# KiCad board FrontEnd_5G.kicad_pcb (continued)
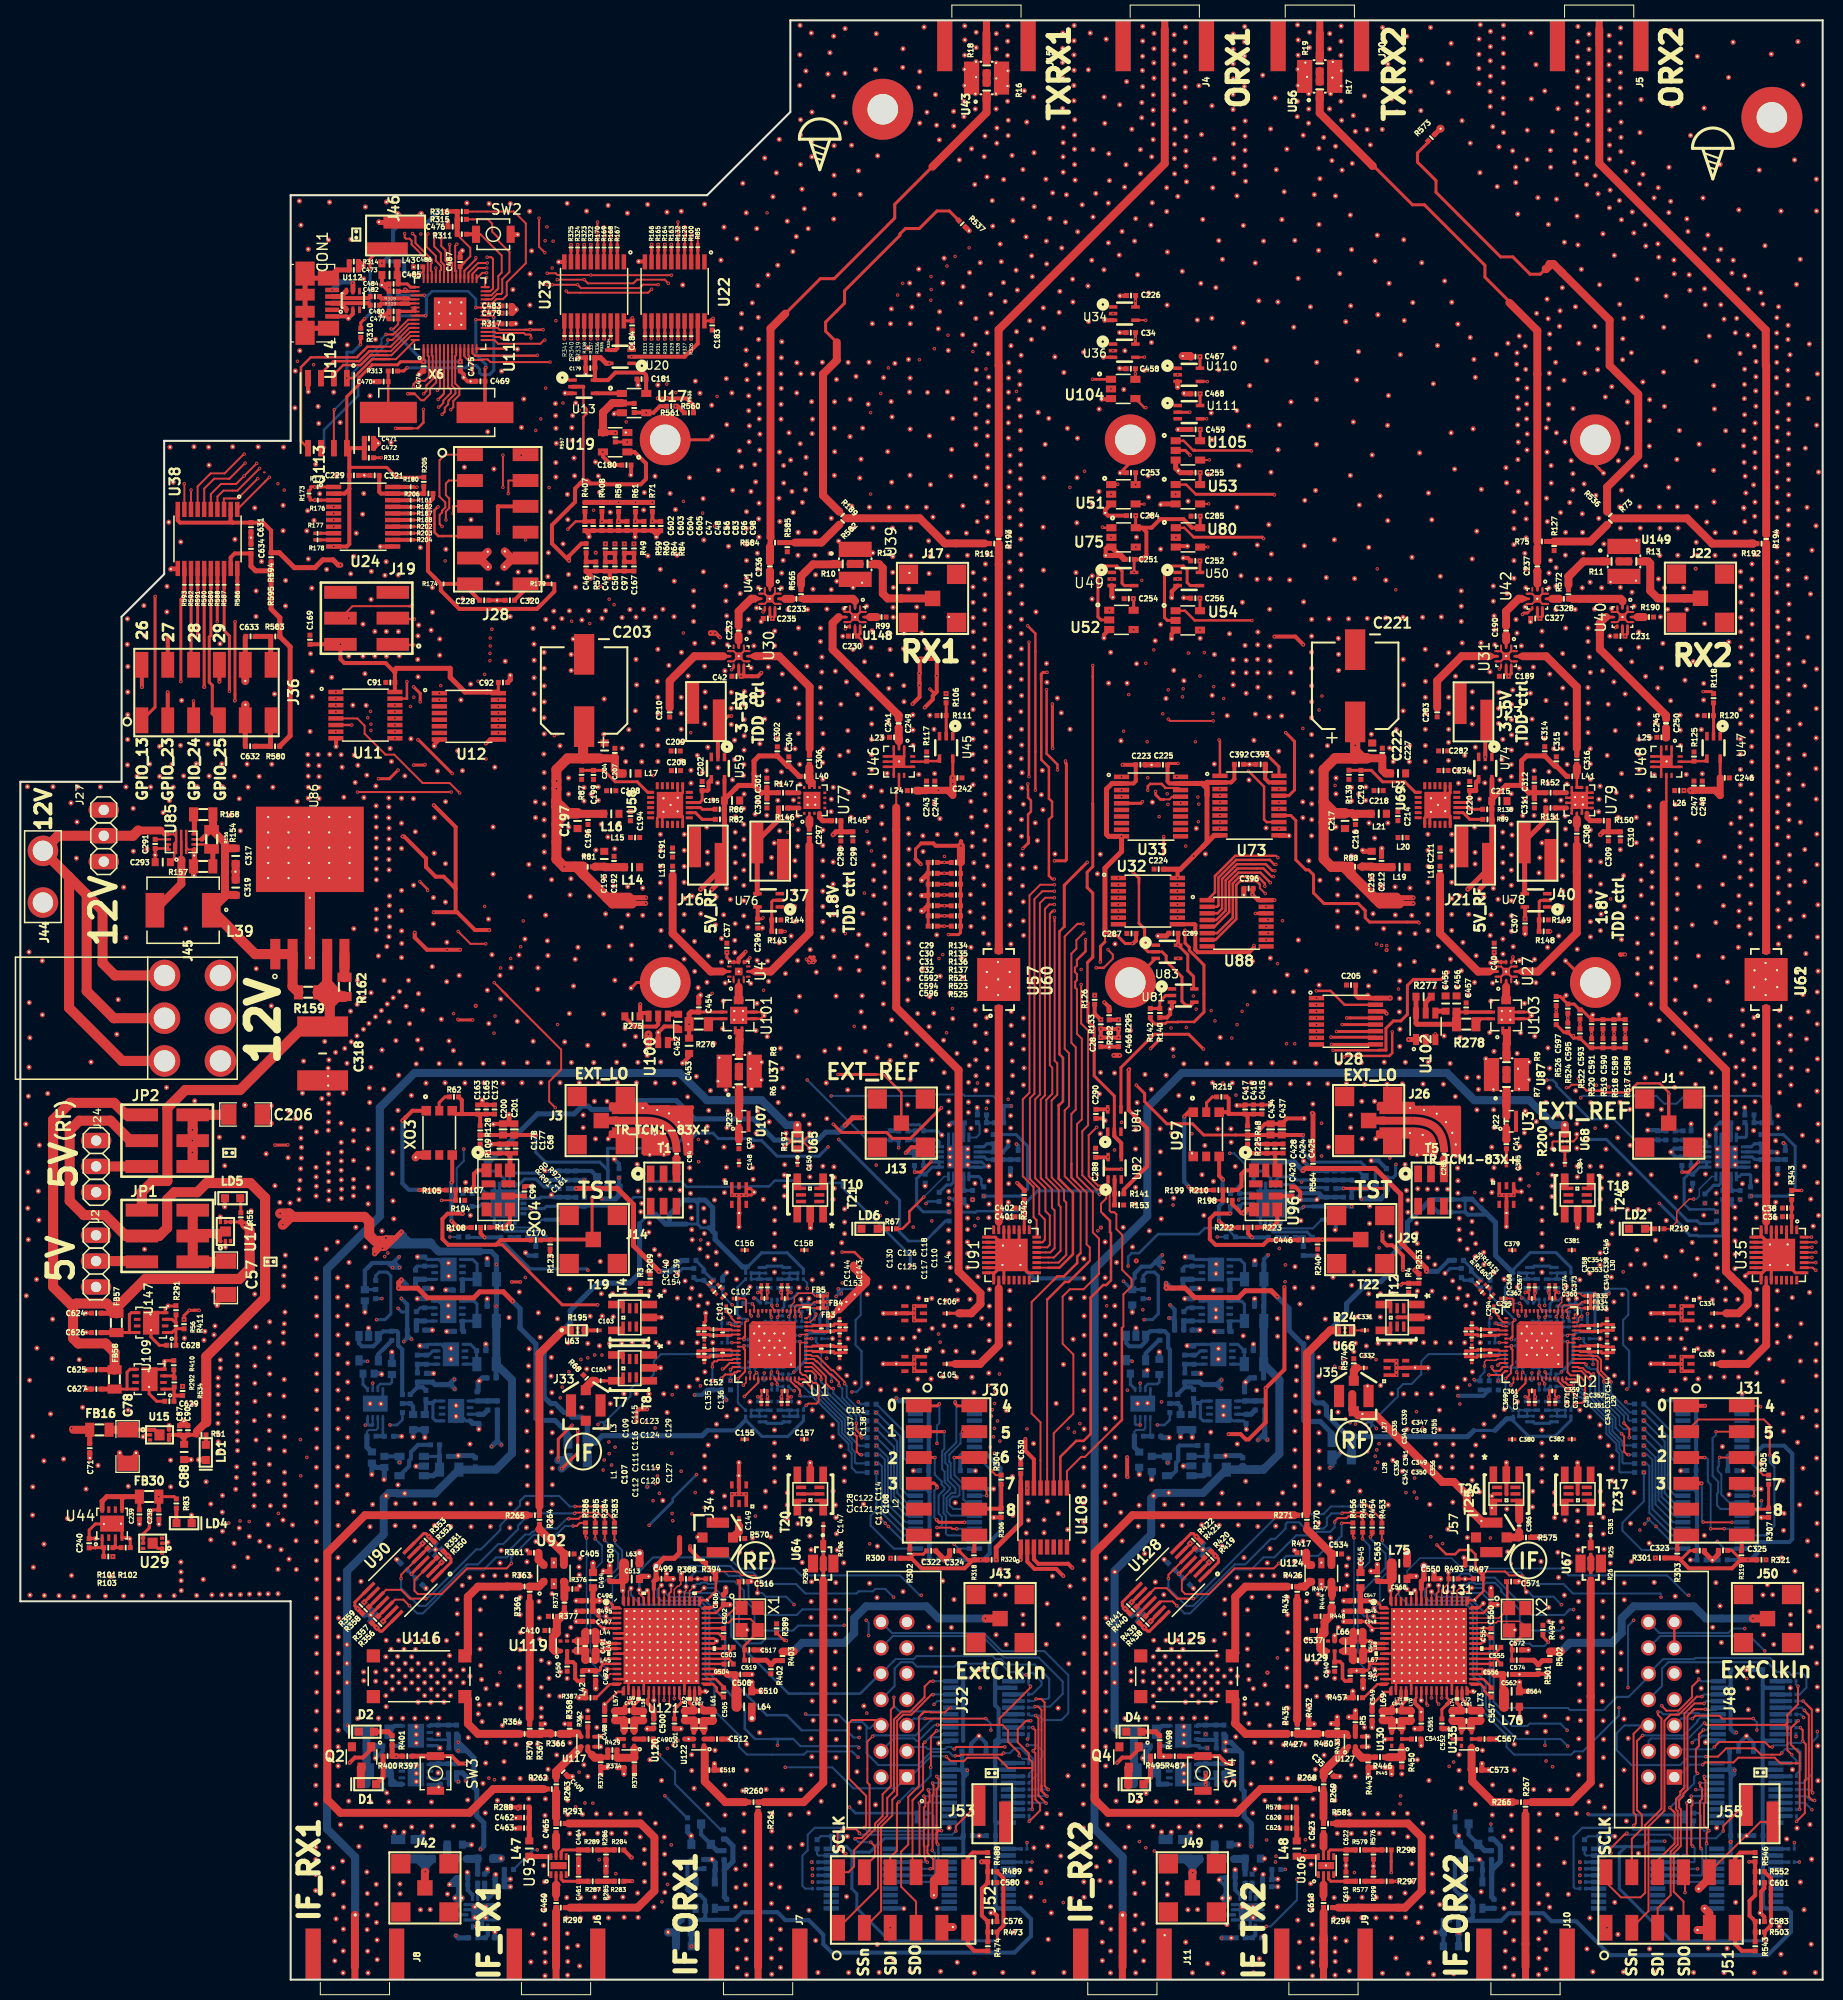
[diagram p0: board, top side]
## Placement (name value [footprint] x y rotation side) (continued)
GND_VIA#2053  VAL**  [GND_VIA#3]  102.5 179.17 90 top
GND_VIA#2054  VAL**  [GND_VIA#3]  103.62 179.92 90 top
GND_VIA#2055  VAL**  [GND_VIA#3]  103.64 178.41 90 top
GND_VIA#2056  VAL**  [GND_VIA#3]  103.65 182.81 90 top
GND_VIA#2057  VAL**  [GND_VIA#3]  103.64 181.31 90 top
GND_VIA#2058  VAL**  [GND_VIA#3]  103.69 176.88 90 top
GND_VIA#2059  VAL**  [GND_VIA#3]  102.84 175.44 90 top
GND_VIA#2060  VAL**  [GND_VIA#3]  120.19 162.84 90 top
GND_VIA#2061  VAL**  [GND_VIA#3]  116.04 166.73 90 top
GND_VIA#2062  VAL**  [GND_VIA#3]  116.11 181.36 90 top
GND_VIA#2063  VAL**  [GND_VIA#3]  105.17 191.33 90 top
GND_VIA#2064  VAL**  [GND_VIA#3]  130.86 170.04 90 top
GND_VIA#2065  VAL**  [GND_VIA#3]  116.23 173.01 90 top
GND_VIA#2066  VAL**  [GND_VIA#3]  117.81 170.94 90 top
GND_VIA#2067  VAL**  [GND_VIA#3]  109.83 167.57 90 top
GND_VIA#2068  VAL**  [GND_VIA#3]  117.39 178.96 90 top
GND_VIA#2069  VAL**  [GND_VIA#3]  115.85 186.16 90 top
GND_VIA#2070  VAL**  [GND_VIA#3]  145.35 180.15 90 top
GND_VIA#2071  VAL**  [GND_VIA#3]  167.09 178.42 90 top
GND_VIA#2072  VAL**  [GND_VIA#3]  151.16 183.89 90 top
GND_VIA#2073  VAL**  [GND_VIA#3]  150.21 172.52 90 top
GND_VIA#2074  VAL**  [GND_VIA#3]  147 176.63 90 top
GND_VIA#2075  VAL**  [GND_VIA#3]  147 178.15 90 top
GND_VIA#2076  VAL**  [GND_VIA#3]  148.12 178.9 90 top
GND_VIA#2077  VAL**  [GND_VIA#3]  150.43 178.14 90 top
GND_VIA#2078  VAL**  [GND_VIA#3]  158.93 167.13 90 top
GND_VIA#2079  VAL**  [GND_VIA#3]  141.72 182.72 90 top
GND_VIA#2080  VAL**  [GND_VIA#3]  148.14 181.79 90 top
GND_VIA#2081  VAL**  [GND_VIA#3]  151.78 170.77 90 top
GND_VIA#2082  VAL**  [GND_VIA#3]  151.01 175 90 top
GND_VIA#2083  VAL**  [GND_VIA#3]  137.67 183.71 90 top
GND_VIA#2084  VAL**  [GND_VIA#3]  136.65 185.59 90 top
GND_VIA#2085  VAL**  [GND_VIA#3]  168.93 173.95 90 top
GND_VIA#2086  VAL**  [GND_VIA#3]  145.18 176.24 90 top
GND_VIA#2087  VAL**  [GND_VIA#3]  140.65 190.32 90 top
GND_VIA#2088  VAL**  [GND_VIA#3]  148.5 191.34 90 top
GND_VIA#2089  VAL**  [GND_VIA#3]  153.03 173.33 90 top
GND_VIA#2090  VAL**  [GND_VIA#3]  170.94 177.86 90 top
GND_VIA#2091  VAL**  [GND_VIA#3]  142.53 180.51 90 top
GND_VIA#2092  VAL**  [GND_VIA#3]  134.8 184.87 90 top
GND_VIA#2093  VAL**  [GND_VIA#3]  136.29 191.01 90 top
GND_VIA#2094  VAL**  [GND_VIA#3]  120.22 172.42 90 top
GND_VIA#2095  VAL**  [GND_VIA#3]  117.21 176.12 90 top
GND_VIA#2096  VAL**  [GND_VIA#3]  130.78 164.52 90 top
GND_VIA#2097  VAL**  [GND_VIA#3]  123.35 184.94 90 top
GND_VIA#2098  VAL**  [GND_VIA#3]  134.4 152.77 90 top
GND_VIA#2099  VAL**  [GND_VIA#3]  142.53 161.41 90 top
GND_VIA#2100  VAL**  [GND_VIA#3]  132.13 185.15 90 top
GND_VIA#2101  VAL**  [GND_VIA#3]  123.46 177.9 90 top
GND_VIA#2102  VAL**  [GND_VIA#3]  121.4 168.74 90 top
GND_VIA#2103  VAL**  [GND_VIA#3]  125.18 162.42 90 top
GND_VIA#2104  VAL**  [GND_VIA#3]  125.62 167.22 90 top
GND_VIA#2105  VAL**  [GND_VIA#3]  114.22 167.91 90 top
GND_VIA#2106  VAL**  [GND_VIA#3]  140.65 152.04 90 top
GND_VIA#2107  VAL**  [GND_VIA#3]  147.2 173.54 90 top
GND_VIA#2108  VAL**  [GND_VIA#3]  134.55 166.73 90 top
GND_VIA#2109  VAL**  [GND_VIA#3]  140.99 148.47 90 top
GND_VIA#2110  VAL**  [GND_VIA#3]  125.28 170.94 90 top
GND_VIA#2111  VAL**  [GND_VIA#3]  130.74 173.44 90 top
GND_VIA#2112  VAL**  [GND_VIA#3]  114.26 159.59 90 top
GND_VIA#2113  VAL**  [GND_VIA#3]  127.2 175.45 90 top
GND_VIA#2114  VAL**  [GND_VIA#3]  145.78 189.34 90 top
GND_VIA#2115  VAL**  [GND_VIA#3]  145.8 190.84 90 top
GND_VIA#2116  VAL**  [GND_VIA#3]  145.78 183.44 90 top
GND_VIA#2117  VAL**  [GND_VIA#3]  145.77 184.94 90 top
GND_VIA#2118  VAL**  [GND_VIA#3]  145.78 186.44 90 top
GND_VIA#2119  VAL**  [GND_VIA#3]  145.78 187.94 90 top
GND_VIA#2120  VAL**  [GND_VIA#3]  137.71 188.67 90 top
GND_VIA#2121  VAL**  [GND_VIA#3]  149.85 185.64 90 top
GND_VIA#2122  VAL**  [GND_VIA#3]  140.42 185.52 90 top
GND_VIA#2123  VAL**  [GND_VIA#3]  148.99 188.23 90 top
GND_VIA#2124  VAL**  [GND_VIA#3]  134.42 188.29 90 top
GND_VIA#2125  VAL**  [GND_VIA#3]  143.52 192.15 90 top
GND_VIA#2126  VAL**  [GND_VIA#3]  144.5 190 90 top
GND_VIA#2127  VAL**  [GND_VIA#3]  144.52 191.5 90 top
GND_VIA#2128  VAL**  [GND_VIA#3]  144.5 184.1 90 top
GND_VIA#2129  VAL**  [GND_VIA#3]  144.49 185.6 90 top
GND_VIA#2130  VAL**  [GND_VIA#3]  144.5 187.1 90 top
GND_VIA#2131  VAL**  [GND_VIA#3]  144.5 188.61 90 top
GND_VIA#2132  VAL**  [GND_VIA#3]  143.38 187.86 90 top
GND_VIA#2133  VAL**  [GND_VIA#3]  143.39 186.35 90 top
GND_VIA#2134  VAL**  [GND_VIA#3]  135.32 183.58 90 top
GND_VIA#2135  VAL**  [GND_VIA#3]  144.74 182.13 90 top
GND_VIA#2136  VAL**  [GND_VIA#3]  143.4 190.75 90 top
GND_VIA#2137  VAL**  [GND_VIA#3]  143.39 189.25 90 top
GND_VIA#2138  VAL**  [GND_VIA#3]  122.9 181.91 90 top
GND_VIA#2139  VAL**  [GND_VIA#3]  124.5 179.92 90 top
GND_VIA#2140  VAL**  [GND_VIA#3]  138.75 143.49 90 top
GND_VIA#2141  VAL**  [GND_VIA#3]  122.13 187.19 90 top
GND_VIA#2142  VAL**  [GND_VIA#3]  117.14 184.18 90 top
GND_VIA#2143  VAL**  [GND_VIA#3]  131.54 160.02 90 top
GND_VIA#2144  VAL**  [GND_VIA#3]  175.24 186.24 90 top
GND_VIA#2145  VAL**  [GND_VIA#3]  124.02 173 90 top
GND_VIA#2146  VAL**  [GND_VIA#3]  138.42 146.12 90 top
GND_VIA#2147  VAL**  [GND_VIA#3]  138.9 156.86 90 top
GND_VIA#2148  VAL**  [GND_VIA#3]  112.09 144.99 90 top
GND_VIA#2149  VAL**  [GND_VIA#3]  113.82 148.31 90 top
GND_VIA#2150  VAL**  [GND_VIA#3]  113.8 152.37 90 top
GND_VIA#2151  VAL**  [GND_VIA#3]  107.39 135.87 90 top
GND_VIA#2152  VAL**  [GND_VIA#3]  131.16 137.71 90 top
GND_VIA#2153  VAL**  [GND_VIA#3]  124.78 137.57 90 top
GND_VIA#2154  VAL**  [GND_VIA#3]  132.55 140.78 90 top
GND_VIA#2155  VAL**  [GND_VIA#3]  142.72 139.64 90 top
GND_VIA#2156  VAL**  [GND_VIA#3]  133.65 145.84 90 top
GND_VIA#2157  VAL**  [GND_VIA#3]  139.59 137.93 90 top
GND_VIA#2158  VAL**  [GND_VIA#3]  124.24 175.73 90 top
GND_VIA#2159  VAL**  [GND_VIA#3]  145.8 192.1 90 top
GND_VIA#2160  VAL**  [GND_VIA#3]  152.87 164.43 90 top
GND_VIA#2161  VAL**  [GND_VIA#3]  153.12 170.5 90 top
GND_VIA#2162  VAL**  [GND_VIA#3]  155.57 171.6 90 top
GND_VIA#2163  VAL**  [GND_VIA#3]  174.97 169.09 90 top
GND_VIA#2164  VAL**  [GND_VIA#3]  146.69 179.76 90 top
GND_VIA#2165  VAL**  [GND_VIA#3]  150.6 181.66 90 top
GND_VIA#2166  VAL**  [GND_VIA#3]  156.44 156.57 90 top
GND_VIA#2167  VAL**  [GND_VIA#3]  143.48 177.61 90 top
GND_VIA#2168  VAL**  [GND_VIA#3]  155.25 166.6 90 top
GND_VIA#2169  VAL**  [GND_VIA#3]  155.81 155.56 90 top
GND_VIA#2170  VAL**  [GND_VIA#3]  166.02 161.54 90 top
GND_VIA#2171  VAL**  [GND_VIA#3]  153.45 168.11 90 top
GND_VIA#2172  VAL**  [GND_VIA#3]  161.56 162.41 90 top
GND_VIA#2173  VAL**  [GND_VIA#3]  165.03 150.92 90 top
GND_VIA#2174  VAL**  [GND_VIA#3]  161.53 158 90 top
GND_VIA#2175  VAL**  [GND_VIA#3]  159.78 148.78 90 top
GND_VIA#2176  VAL**  [GND_VIA#3]  145.8 181.55 90 top
GND_VIA#2177  VAL**  [GND_VIA#3]  161.62 154.63 90 top
GND_VIA#2178  VAL**  [GND_VIA#3]  153.79 157.91 90 top
GND_VIA#2179  VAL**  [GND_VIA#3]  164.74 159.08 90 top
GND_VIA#2180  VAL**  [GND_VIA#3]  166.47 156.68 90 top
GND_VIA#2181  VAL**  [GND_VIA#3]  159.43 163.42 90 top
GND_VIA#2182  VAL**  [GND_VIA#3]  159.5 157.04 90 top
GND_VIA#2183  VAL**  [GND_VIA#3]  158.37 159.91 90 top
GND_VIA#2184  VAL**  [GND_VIA#3]  162.03 146.68 90 top
GND_VIA#2185  VAL**  [GND_VIA#3]  166.46 148.35 90 top
GND_VIA#2186  VAL**  [GND_VIA#3]  148.54 184.86 90 top
GND_VIA#2187  VAL**  [GND_VIA#3]  158.46 147.77 90 top
GND_VIA#2188  VAL**  [GND_VIA#3]  162.84 149.42 90 top
GND_VIA#2189  VAL**  [GND_VIA#3]  163.09 152.27 90 top
GND_VIA#2190  VAL**  [GND_VIA#3]  153.54 144.08 90 top
GND_VIA#2191  VAL**  [GND_VIA#3]  167.64 152.25 90 top
GND_VIA#2192  VAL**  [GND_VIA#3]  161.78 165.48 90 top
GND_VIA#2193  VAL**  [GND_VIA#3]  166.53 154.38 90 top
GND_VIA#2194  VAL**  [GND_VIA#3]  153.72 147.02 90 top
GND_VIA#2195  VAL**  [GND_VIA#3]  166.49 145.23 90 top
GND_VIA#2196  VAL**  [GND_VIA#3]  138.62 191.88 90 top
GND_VIA#2197  VAL**  [GND_VIA#3]  133.91 191.87 90 top
GND_VIA#2198  VAL**  [GND_VIA#3]  166.06 96.28 90 top
GND_VIA#2199  VAL**  [GND_VIA#3]  164.66 97.64 90 top
GND_VIA#2200  VAL**  [GND_VIA#3]  167.81 98.06 90 top
GND_VIA#2201  VAL**  [GND_VIA#3]  164.96 100.62 90 top
GND_VIA#2202  VAL**  [GND_VIA#3]  165.05 107.42 90 top
GND_VIA#2203  VAL**  [GND_VIA#3]  164.35 103.67 90 top
GND_VIA#2204  VAL**  [GND_VIA#3]  167.34 107.64 90 top
GND_VIA#2205  VAL**  [GND_VIA#3]  165.02 111.86 90 top
GND_VIA#2206  VAL**  [GND_VIA#3]  167.37 100.48 90 top
GND_VIA#2207  VAL**  [GND_VIA#3]  166.67 103.9 90 top
GND_VIA#2208  VAL**  [GND_VIA#3]  168.12 92.78 90 top
GND_VIA#2209  VAL**  [GND_VIA#3]  167.42 105.56 90 top
GND_VIA#2210  VAL**  [GND_VIA#3]  167.53 110.36 90 top
GND_VIA#2211  VAL**  [GND_VIA#3]  168.17 113.63 90 top
GND_VIA#2212  VAL**  [GND_VIA#3]  164.86 109.53 90 top
GND_VIA#2213  VAL**  [GND_VIA#3]  98.87 171.3 90 top
GND_VIA#2214  VAL**  [GND_VIA#3]  93.31 167.78 90 top
GND_VIA#2215  VAL**  [GND_VIA#3]  96.32 170.59 90 top
GND_VIA#2216  VAL**  [GND_VIA#3]  95.02 177.19 90 top
GND_VIA#2217  VAL**  [GND_VIA#3]  99.67 174.27 90 top
GND_VIA#2218  VAL**  [GND_VIA#3]  90.81 169.2 90 top
GND_VIA#2219  VAL**  [GND_VIA#3]  98.53 175.03 90 top
GND_VIA#2220  VAL**  [GND_VIA#3]  88.32 168.13 90 top
GND_VIA#2221  VAL**  [GND_VIA#3]  98.56 177.92 90 top
GND_VIA#2222  VAL**  [GND_VIA#3]  95.54 174.86 90 top
GND_VIA#2223  VAL**  [GND_VIA#3]  107 179.47 90 top
GND_VIA#2224  VAL**  [GND_VIA#3]  98.7 185.66 90 top
GND_VIA#2225  VAL**  [GND_VIA#3]  95.59 172.35 90 top
GND_VIA#2226  VAL**  [GND_VIA#3]  98.93 182.58 90 top
GND_VIA#2227  VAL**  [GND_VIA#3]  100.81 176.97 90 top
GND_VIA#2228  VAL**  [GND_VIA#3]  101.48 175.62 90 top
GND_VIA#2229  VAL**  [GND_VIA#3]  99.61 185.05 90 top
GND_VIA#2230  VAL**  [GND_VIA#3]  105.44 179.88 90 top
GND_VIA#2231  VAL**  [GND_VIA#3]  106.54 185.04 90 top
GND_VIA#2232  VAL**  [GND_VIA#3]  109.26 181.88 90 top
GND_VIA#2233  VAL**  [GND_VIA#3]  106.6 182.46 90 top
GND_VIA#2234  VAL**  [GND_VIA#3]  104.99 187.72 90 top
GND_VIA#2235  VAL**  [GND_VIA#3]  73.98 175.24 90 top
GND_VIA#2236  VAL**  [GND_VIA#3]  74.46 168.51 90 top
GND_VIA#2237  VAL**  [GND_VIA#3]  77.81 183.56 90 top
GND_VIA#2238  VAL**  [GND_VIA#3]  77.81 179.17 90 top
GND_VIA#2239  VAL**  [GND_VIA#3]  77.79 180.68 90 top
GND_VIA#2240  VAL**  [GND_VIA#3]  75.39 172.84 90 top
GND_VIA#2241  VAL**  [GND_VIA#3]  76.69 178.42 90 top
GND_VIA#2242  VAL**  [GND_VIA#3]  76.69 182.81 90 top
GND_VIA#2243  VAL**  [GND_VIA#3]  76.69 181.31 90 top
GND_VIA#2244  VAL**  [GND_VIA#3]  68.87 169.01 90 top
GND_VIA#2245  VAL**  [GND_VIA#3]  76.65 192.09 90 top
GND_VIA#2246  VAL**  [GND_VIA#3]  108.07 184.29 90 top
GND_VIA#2247  VAL**  [GND_VIA#3]  76.62 186.19 90 top
GND_VIA#2248  VAL**  [GND_VIA#3]  67.26 174.51 90 top
GND_VIA#2249  VAL**  [GND_VIA#3]  76.62 189.19 90 top
GND_VIA#2250  VAL**  [GND_VIA#3]  65.11 166.57 90 top
GND_VIA#2251  VAL**  [GND_VIA#3]  80.23 157.28 90 top
GND_VIA#2252  VAL**  [GND_VIA#3]  70.43 171.11 90 top
GND_VIA#2253  VAL**  [GND_VIA#3]  74.6 180.88 90 top
GND_VIA#2254  VAL**  [GND_VIA#3]  77.75 191.34 90 top
GND_VIA#2255  VAL**  [GND_VIA#3]  76.28 171.33 90 top
GND_VIA#2256  VAL**  [GND_VIA#3]  88.41 187.54 90 top
GND_VIA#2257  VAL**  [GND_VIA#3]  81.12 182.5 90 top
GND_VIA#2258  VAL**  [GND_VIA#3]  73.17 179.04 90 top
GND_VIA#2259  VAL**  [GND_VIA#3]  84.27 179.27 90 top
GND_VIA#2260  VAL**  [GND_VIA#3]  71.36 173.66 90 top
GND_VIA#2261  VAL**  [GND_VIA#3]  80 177.36 90 top
GND_VIA#2262  VAL**  [GND_VIA#3]  80.04 175.47 90 top
GND_VIA#2263  VAL**  [GND_VIA#3]  80 180.25 90 top
GND_VIA#2264  VAL**  [GND_VIA#3]  90.24 162.27 90 top
GND_VIA#2265  VAL**  [GND_VIA#3]  79.96 191.03 90 top
GND_VIA#2266  VAL**  [GND_VIA#3]  88.84 191.92 90 top
GND_VIA#2267  VAL**  [GND_VIA#3]  79.93 185.12 90 top
GND_VIA#2268  VAL**  [GND_VIA#3]  84.14 191.27 90 top
GND_VIA#2269  VAL**  [GND_VIA#3]  89.96 185.28 90 top
GND_VIA#2270  VAL**  [GND_VIA#3]  87.48 162.76 90 top
GND_VIA#2271  VAL**  [GND_VIA#3]  81.06 187.38 90 top
GND_VIA#2272  VAL**  [GND_VIA#3]  84.06 187.74 90 top
GND_VIA#2273  VAL**  [GND_VIA#3]  71.02 176.56 90 top
GND_VIA#2274  VAL**  [GND_VIA#3]  81.07 191.78 90 top
GND_VIA#2275  VAL**  [GND_VIA#3]  86.77 189.79 90 top
GND_VIA#2276  VAL**  [GND_VIA#3]  82.52 147.59 90 top
GND_VIA#2277  VAL**  [GND_VIA#3]  85.65 147.18 90 top
GND_VIA#2278  VAL**  [GND_VIA#3]  75.85 146.27 90 top
GND_VIA#2279  VAL**  [GND_VIA#3]  82.8 152.5 90 top
GND_VIA#2280  VAL**  [GND_VIA#3]  76.33 158.93 90 top
GND_VIA#2281  VAL**  [GND_VIA#3]  77.87 153.38 90 top
GND_VIA#2282  VAL**  [GND_VIA#3]  89.47 146.94 90 top
GND_VIA#2283  VAL**  [GND_VIA#3]  75.72 149.36 90 top
GND_VIA#2284  VAL**  [GND_VIA#3]  85.69 153.6 90 top
GND_VIA#2285  VAL**  [GND_VIA#3]  82.64 149.45 90 top
GND_VIA#2286  VAL**  [GND_VIA#3]  85.26 150.19 90 top
GND_VIA#2287  VAL**  [GND_VIA#3]  89.37 151.73 90 top
GND_VIA#2288  VAL**  [GND_VIA#3]  89.18 156.01 90 top
GND_VIA#2289  VAL**  [GND_VIA#3]  77.78 155.1 90 top
GND_VIA#2290  VAL**  [GND_VIA#3]  85.6 155.11 90 top
GND_VIA#2291  VAL**  [GND_VIA#3]  87.41 156.04 90 top
GND_VIA#2292  VAL**  [GND_VIA#3]  87.47 157.42 90 top
GND_VIA#2293  VAL**  [GND_VIA#3]  91.22 160.14 90 top
GND_VIA#2294  VAL**  [GND_VIA#3]  91.55 150.39 90 top
GND_VIA#2295  VAL**  [GND_VIA#3]  91.14 156.06 90 top
GND_VIA#2296  VAL**  [GND_VIA#3]  91.66 153.44 90 top
GND_VIA#2297  VAL**  [GND_VIA#3]  84.86 157.46 90 top
GND_VIA#2298  VAL**  [GND_VIA#3]  92.66 144.86 90 top
GND_VIA#2299  VAL**  [GND_VIA#3]  87.46 147.87 90 top
GND_VIA#2300  VAL**  [GND_VIA#3]  76.72 157.84 90 top
GND_VIA#2301  VAL**  [GND_VIA#3]  83.75 162.77 90 top
GND_VIA#2302  VAL**  [GND_VIA#3]  76.32 155.96 90 top
GND_VIA#2303  VAL**  [GND_VIA#3]  87.64 164.4 90 top
GND_VIA#2304  VAL**  [GND_VIA#3]  87.42 166.76 90 top
GND_VIA#2305  VAL**  [GND_VIA#3]  88.31 165.6 90 top
GND_VIA#2306  VAL**  [GND_VIA#3]  92.67 166.4 90 top
GND_VIA#2307  VAL**  [GND_VIA#3]  92.46 164.8 90 top
GND_VIA#2308  VAL**  [GND_VIA#3]  87.47 152.4 90 top
GND_VIA#2309  VAL**  [GND_VIA#3]  77.83 151.96 90 top
GND_VIA#2310  VAL**  [GND_VIA#3]  80.05 150.18 90 top
GND_VIA#2311  VAL**  [GND_VIA#3]  80.02 147.85 90 top
GND_VIA#2312  VAL**  [GND_VIA#3]  80.02 152.49 90 top
GND_VIA#2313  VAL**  [GND_VIA#3]  80.04 155.09 90 top
GND_VIA#2314  VAL**  [GND_VIA#3]  83.35 154.85 90 top
GND_VIA#2315  VAL**  [GND_VIA#3]  65.78 147.63 90 top
GND_VIA#2316  VAL**  [GND_VIA#3]  68 151.69 90 top
GND_VIA#2317  VAL**  [GND_VIA#3]  68.63 148.36 90 top
GND_VIA#2318  VAL**  [GND_VIA#3]  67.96 154.75 90 top
GND_VIA#2319  VAL**  [GND_VIA#3]  66.36 157.12 90 top
GND_VIA#2320  VAL**  [GND_VIA#3]  69.94 155.96 90 top
GND_VIA#2321  VAL**  [GND_VIA#3]  69.44 152.84 90 top
GND_VIA#2322  VAL**  [GND_VIA#3]  69.4 157.36 90 top
GND_VIA#2323  VAL**  [GND_VIA#3]  69.51 142.72 90 top
GND_VIA#2324  VAL**  [GND_VIA#3]  70.02 146.39 90 top
GND_VIA#2325  VAL**  [GND_VIA#3]  67.12 145.57 90 top
GND_VIA#2326  VAL**  [GND_VIA#3]  67.19 141.5 90 top
GND_VIA#2327  VAL**  [GND_VIA#3]  67.15 138.38 90 top
GND_VIA#2328  VAL**  [GND_VIA#3]  69.62 140.88 90 top
GND_VIA#2329  VAL**  [GND_VIA#3]  91.47 147.8 90 top
GND_VIA#2330  VAL**  [GND_VIA#3]  81.38 158.96 90 top
GND_VIA#2331  VAL**  [GND_VIA#3]  61.66 174.49 90 top
GND_VIA#2332  VAL**  [GND_VIA#3]  48.16 174.56 90 top
GND_VIA#2333  VAL**  [GND_VIA#3]  53.76 174.59 90 top
GND_VIA#2334  VAL**  [GND_VIA#3]  35.99 174.73 90 top
GND_VIA#2335  VAL**  [GND_VIA#3]  30.4 174.71 90 top
GND_VIA#2336  VAL**  [GND_VIA#3]  43.9 174.62 90 top
GND_VIA#2337  VAL**  [GND_VIA#3]  30.29 170.99 90 top
GND_VIA#2338  VAL**  [GND_VIA#3]  27.43 174.82 90 top
GND_VIA#2339  VAL**  [GND_VIA#3]  33.74 167.16 90 top
GND_VIA#2340  VAL**  [GND_VIA#3]  27.58 172.45 90 top
GND_VIA#2341  VAL**  [GND_VIA#3]  28.3 170.08 90 top
GND_VIA#2342  VAL**  [GND_VIA#3]  32.49 171.06 90 top
GND_VIA#2343  VAL**  [GND_VIA#3]  33.92 174.24 90 top
GND_VIA#2344  VAL**  [GND_VIA#3]  32.14 160.68 90 top
GND_VIA#2345  VAL**  [GND_VIA#3]  34.91 161.22 90 top
GND_VIA#2346  VAL**  [GND_VIA#3]  27.47 160.11 90 top
GND_VIA#2347  VAL**  [GND_VIA#3]  29.27 154.63 90 top
GND_VIA#2348  VAL**  [GND_VIA#3]  34.37 155.67 90 top
GND_VIA#2349  VAL**  [GND_VIA#3]  31.44 153.05 90 top
GND_VIA#2350  VAL**  [GND_VIA#3]  46.55 148.48 90 top
GND_VIA#2351  VAL**  [GND_VIA#3]  49.26 152.56 90 top
GND_VIA#2352  VAL**  [GND_VIA#3]  46.92 137.25 90 top
GND_VIA#2353  VAL**  [GND_VIA#3]  62.67 156.74 90 top
GND_VIA#2354  VAL**  [GND_VIA#3]  55.79 160.37 90 top
GND_VIA#2355  VAL**  [GND_VIA#3]  106.74 190.73 90 top
GND_VIA#2356  VAL**  [GND_VIA#3]  108.75 186.56 90 top
GND_VIA#2357  VAL**  [GND_VIA#3]  106.05 154.37 90 top
GND_VIA#2358  VAL**  [GND_VIA#3]  122.84 137.69 90 top
GND_VIA#2359  VAL**  [GND_VIA#3]  120.39 131.14 90 top
GND_VIA#2360  VAL**  [GND_VIA#3]  121.65 132.46 90 top
GND_VIA#2361  VAL**  [GND_VIA#3]  122.82 131.07 90 top
GND_VIA#2362  VAL**  [GND_VIA#3]  119.21 128.47 90 top
GND_VIA#2363  VAL**  [GND_VIA#3]  121.63 129.77 90 top
GND_VIA#2364  VAL**  [GND_VIA#3]  122.83 129.63 90 top
GND_VIA#2365  VAL**  [GND_VIA#3]  120.5 126.44 90 top
GND_VIA#2366  VAL**  [GND_VIA#3]  121.65 127.03 90 top
GND_VIA#2367  VAL**  [GND_VIA#3]  122.83 126.06 90 top
GND_VIA#2368  VAL**  [GND_VIA#3]  121.63 128.46 90 top
GND_VIA#2369  VAL**  [GND_VIA#3]  122.84 128.45 90 top
GND_VIA#2370  VAL**  [GND_VIA#3]  124.89 128.47 90 top
GND_VIA#2371  VAL**  [GND_VIA#3]  119.21 129.74 90 top
GND_VIA#2372  VAL**  [GND_VIA#3]  121.64 131.2 90 top
GND_VIA#2373  VAL**  [GND_VIA#3]  120.5 129.68 90 top
GND_VIA#2374  VAL**  [GND_VIA#3]  120.5 128.45 90 top
GND_VIA#2375  VAL**  [GND_VIA#3]  119.22 127.25 90 top
GND_VIA#2376  VAL**  [GND_VIA#3]  125.14 126.48 90 top
GND_VIA#2377  VAL**  [GND_VIA#3]  121.41 124.39 90 top
GND_VIA#2378  VAL**  [GND_VIA#3]  122.75 124.11 90 top
GND_VIA#2379  VAL**  [GND_VIA#3]  123.99 124.21 90 top
GND_VIA#2380  VAL**  [GND_VIA#3]  176.59 112.59 90 top
GND_VIA#2381  VAL**  [GND_VIA#3]  175.41 111.08 90 top
GND_VIA#2382  VAL**  [GND_VIA#3]  176.62 109.59 90 top
GND_VIA#2383  VAL**  [GND_VIA#3]  174.96 123.41 90 top
GND_VIA#2384  VAL**  [GND_VIA#3]  176.55 124.94 90 top
GND_VIA#2385  VAL**  [GND_VIA#3]  176.53 116.03 90 top
GND_VIA#2386  VAL**  [GND_VIA#3]  175.26 117.41 90 top
GND_VIA#2387  VAL**  [GND_VIA#3]  176.52 119.03 90 top
GND_VIA#2388  VAL**  [GND_VIA#3]  175.38 120.38 90 top
GND_VIA#2389  VAL**  [GND_VIA#3]  176.53 122.05 90 top
GND_VIA#2390  VAL**  [GND_VIA#3]  174.97 113.76 90 top
GND_VIA#2391  VAL**  [GND_VIA#3]  175.52 100.85 90 top
GND_VIA#2392  VAL**  [GND_VIA#3]  176.72 99.12 90 top
GND_VIA#2393  VAL**  [GND_VIA#3]  176.67 102.48 90 top
GND_VIA#2394  VAL**  [GND_VIA#3]  175.42 107.92 90 top
GND_VIA#2395  VAL**  [GND_VIA#3]  176.71 105.65 90 top
GND_VIA#2396  VAL**  [GND_VIA#3]  175.34 104.54 90 top
GND_VIA#2397  VAL**  [GND_VIA#3]  175.23 96.82 90 top
GND_VIA#2398  VAL**  [GND_VIA#3]  176.65 97.08 90 top
GND_VIA#2399  VAL**  [GND_VIA#3]  175.58 92.46 90 top
GND_VIA#2400  VAL**  [GND_VIA#3]  176.66 90.5 90 top
GND_VIA#2401  VAL**  [GND_VIA#3]  176.64 93.93 90 top
GND_VIA#2402  VAL**  [GND_VIA#3]  176.62 87.34 90 top
GND_VIA#2403  VAL**  [GND_VIA#3]  175.7 89.38 90 top
GND_VIA#2404  VAL**  [GND_VIA#3]  176.72 84.11 90 top
GND_VIA#2405  VAL**  [GND_VIA#3]  176.68 82.44 90 top
GND_VIA#2406  VAL**  [GND_VIA#3]  174.89 85.94 90 top
GND_VIA#2407  VAL**  [GND_VIA#3]  176 76.72 90 top
GND_VIA#2408  VAL**  [GND_VIA#3]  176.24 74.06 90 top
GND_VIA#2409  VAL**  [GND_VIA#3]  176.77 75.12 90 top
GND_VIA#2410  VAL**  [GND_VIA#3]  175.37 79.93 90 top
GND_VIA#2411  VAL**  [GND_VIA#3]  176.66 78.34 90 top
GND_VIA#2412  VAL**  [GND_VIA#3]  175.18 82.99 90 top
GND_VIA#2413  VAL**  [GND_VIA#3]  175.75 95.14 90 top
GND_VIA#2414  VAL**  [GND_VIA#3]  176.5 60.83 90 top
GND_VIA#2415  VAL**  [GND_VIA#3]  176.55 62.5 90 top
GND_VIA#2416  VAL**  [GND_VIA#3]  174.98 60.8 90 top
GND_VIA#2417  VAL**  [GND_VIA#3]  176.56 55.93 90 top
GND_VIA#2418  VAL**  [GND_VIA#3]  176.53 59.34 90 top
GND_VIA#2419  VAL**  [GND_VIA#3]  176.58 51.27 90 top
GND_VIA#2420  VAL**  [GND_VIA#3]  176.59 47.84 90 top
GND_VIA#2421  VAL**  [GND_VIA#3]  175.24 50.27 90 top
GND_VIA#2422  VAL**  [GND_VIA#3]  176.59 54.42 90 top
GND_VIA#2423  VAL**  [GND_VIA#3]  175.18 55.25 90 top
GND_VIA#2424  VAL**  [GND_VIA#3]  173.27 49.06 90 top
GND_VIA#2425  VAL**  [GND_VIA#3]  173.15 41.46 90 top
GND_VIA#2426  VAL**  [GND_VIA#3]  173.38 45.83 90 top
GND_VIA#2427  VAL**  [GND_VIA#3]  173.33 44.16 90 top
GND_VIA#2428  VAL**  [GND_VIA#3]  174.71 52.81 90 top
GND_VIA#2429  VAL**  [GND_VIA#3]  173.27 55.66 90 top
GND_VIA#2430  VAL**  [GND_VIA#3]  174.18 67.04 90 top
GND_VIA#2431  VAL**  [GND_VIA#3]  173.34 53.91 90 top
GND_VIA#2432  VAL**  [GND_VIA#3]  173.28 58.81 90 top
GND_VIA#2433  VAL**  [GND_VIA#3]  175.04 64.48 90 top
GND_VIA#2434  VAL**  [GND_VIA#3]  175.69 43.12 90 top
GND_VIA#2435  VAL**  [GND_VIA#3]  176.62 44.86 90 top
GND_VIA#2436  VAL**  [GND_VIA#3]  174.45 40.15 90 top
GND_VIA#2437  VAL**  [GND_VIA#3]  176.62 38.28 90 top
GND_VIA#2438  VAL**  [GND_VIA#3]  176.61 41.71 90 top
GND_VIA#2439  VAL**  [GND_VIA#3]  174.91 46.68 90 top
GND_VIA#2440  VAL**  [GND_VIA#3]  175.91 36.19 90 top
GND_VIA#2441  VAL**  [GND_VIA#3]  176.08 32.68 90 top
GND_VIA#2442  VAL**  [GND_VIA#3]  176.77 34.7 90 top
GND_VIA#2443  VAL**  [GND_VIA#3]  176.08 11.84 90 top
GND_VIA#2444  VAL**  [GND_VIA#3]  176.72 19.56 90 top
GND_VIA#2445  VAL**  [GND_VIA#3]  176.69 22.98 90 top
GND_VIA#2446  VAL**  [GND_VIA#3]  176.64 28.77 90 top
GND_VIA#2447  VAL**  [GND_VIA#3]  175.92 15.25 90 top
GND_VIA#2448  VAL**  [GND_VIA#3]  176.68 26.49 90 top
GND_VIA#2449  VAL**  [GND_VIA#3]  176.59 31.11 90 top
GND_VIA#2450  VAL**  [GND_VIA#3]  175.88 67.55 90 top
GND_VIA#2451  VAL**  [GND_VIA#3]  173.96 63.18 90 top
GND_VIA#2452  VAL**  [GND_VIA#3]  84.42 0.71 180 top
GND_VIA#2453  VAL**  [GND_VIA#3]  78.18 3.85 180 top
GND_VIA#2454  VAL**  [GND_VIA#3]  81.42 0.69 180 top
GND_VIA#2455  VAL**  [GND_VIA#3]  84.24 3.46 180 top
GND_VIA#2456  VAL**  [GND_VIA#3]  78.41 0.7 180 top
GND_VIA#2457  VAL**  [GND_VIA#3]  170.45 0.69 180 top
GND_VIA#2458  VAL**  [GND_VIA#3]  167.78 3.07 180 top
GND_VIA#2459  VAL**  [GND_VIA#3]  173.46 0.68 180 top
GND_VIA#2460  VAL**  [GND_VIA#3]  168.62 7.6 180 top
GND_VIA#2461  VAL**  [GND_VIA#3]  176.46 0.7 180 top
GND_VIA#2462  VAL**  [GND_VIA#3]  164.87 4.88 180 top
GND_VIA#2463  VAL**  [GND_VIA#3]  164.48 0.7 180 top
GND_VIA#2464  VAL**  [GND_VIA#3]  160.15 3.03 180 top
GND_VIA#2465  VAL**  [GND_VIA#3]  167.48 0.69 180 top
GND_VIA#2466  VAL**  [GND_VIA#3]  165.93 3.09 180 top
GND_VIA#2467  VAL**  [GND_VIA#3]  154.58 0.77 180 top
GND_VIA#2468  VAL**  [GND_VIA#3]  157.05 4.45 180 top
GND_VIA#2469  VAL**  [GND_VIA#3]  157.59 0.76 180 top
GND_VIA#2470  VAL**  [GND_VIA#3]  154 3.02 180 top
GND_VIA#2471  VAL**  [GND_VIA#3]  160.59 0.78 180 top
GND_VIA#2472  VAL**  [GND_VIA#3]  176.04 3.48 180 top
GND_VIA#2473  VAL**  [GND_VIA#3]  175.34 6.87 180 top
GND_VIA#2474  VAL**  [GND_VIA#3]  173.07 2.5 180 top
GND_VIA#2475  VAL**  [GND_VIA#3]  172.9 5.24 180 top
GND_VIA#2476  VAL**  [GND_VIA#3]  174.98 9.59 180 top
GND_VIA#2477  VAL**  [GND_VIA#3]  164.98 8.93 180 top
GND_VIA#2478  VAL**  [GND_VIA#3]  133.9 0.63 180 top
GND_VIA#2479  VAL**  [GND_VIA#3]  136.4 0.58 180 top
GND_VIA#2480  VAL**  [GND_VIA#3]  137.43 5.61 180 top
GND_VIA#2481  VAL**  [GND_VIA#3]  138.52 1.68 180 top
GND_VIA#2482  VAL**  [GND_VIA#3]  140.9 0.58 180 top
GND_VIA#2483  VAL**  [GND_VIA#3]  137.79 4.08 180 top
GND_VIA#2484  VAL**  [GND_VIA#3]  139.54 7.38 180 top
GND_VIA#2485  VAL**  [GND_VIA#3]  134.78 4.09 180 top
GND_VIA#2486  VAL**  [GND_VIA#3]  138.93 0.5 180 top
GND_VIA#2487  VAL**  [GND_VIA#3]  135.23 2.12 180 top
GND_VIA#2488  VAL**  [GND_VIA#3]  85.81 1.98 180 top
GND_VIA#2489  VAL**  [GND_VIA#3]  87.46 0.82 180 top
GND_VIA#2490  VAL**  [GND_VIA#3]  92.1 1.7 180 top
GND_VIA#2491  VAL**  [GND_VIA#3]  90.46 0.81 180 top
GND_VIA#2492  VAL**  [GND_VIA#3]  93.77 0.66 180 top
GND_VIA#2493  VAL**  [GND_VIA#3]  102.59 0.71 180 top
GND_VIA#2494  VAL**  [GND_VIA#3]  101.04 3.96 180 top
GND_VIA#2495  VAL**  [GND_VIA#3]  99.59 0.69 180 top
GND_VIA#2496  VAL**  [GND_VIA#3]  101.34 6.56 180 top
GND_VIA#2497  VAL**  [GND_VIA#3]  96.58 0.7 180 top
GND_VIA#2498  VAL**  [GND_VIA#3]  115.22 0.67 180 top
GND_VIA#2499  VAL**  [GND_VIA#3]  116.71 1.58 180 top
GND_VIA#2500  VAL**  [GND_VIA#3]  118.23 0.66 180 top
GND_VIA#2501  VAL**  [GND_VIA#3]  121.8 2.06 180 top
GND_VIA#2502  VAL**  [GND_VIA#3]  121.23 0.68 180 top
GND_VIA#2503  VAL**  [GND_VIA#3]  90.4 114.12 90 top
GND_VIA#2504  VAL**  [GND_VIA#3]  90.16 112.56 90 top
GND_VIA#2505  VAL**  [GND_VIA#3]  88.74 110.88 90 top
GND_VIA#2506  VAL**  [GND_VIA#3]  92.03 112.59 90 top
GND_VIA#2507  VAL**  [GND_VIA#3]  101.7 110.64 90 top
GND_VIA#2508  VAL**  [GND_VIA#3]  106.17 110.62 90 top
GND_VIA#2509  VAL**  [GND_VIA#3]  105.88 108.69 90 top
GND_VIA#2510  VAL**  [GND_VIA#3]  107.61 101.8 90 top
GND_VIA#2511  VAL**  [GND_VIA#3]  91.66 94.46 90 top
GND_VIA#2512  VAL**  [GND_VIA#3]  76.47 90.72 90 top